# Altium PCB pcb.PcbDoc (part 1 of 4) (continued)
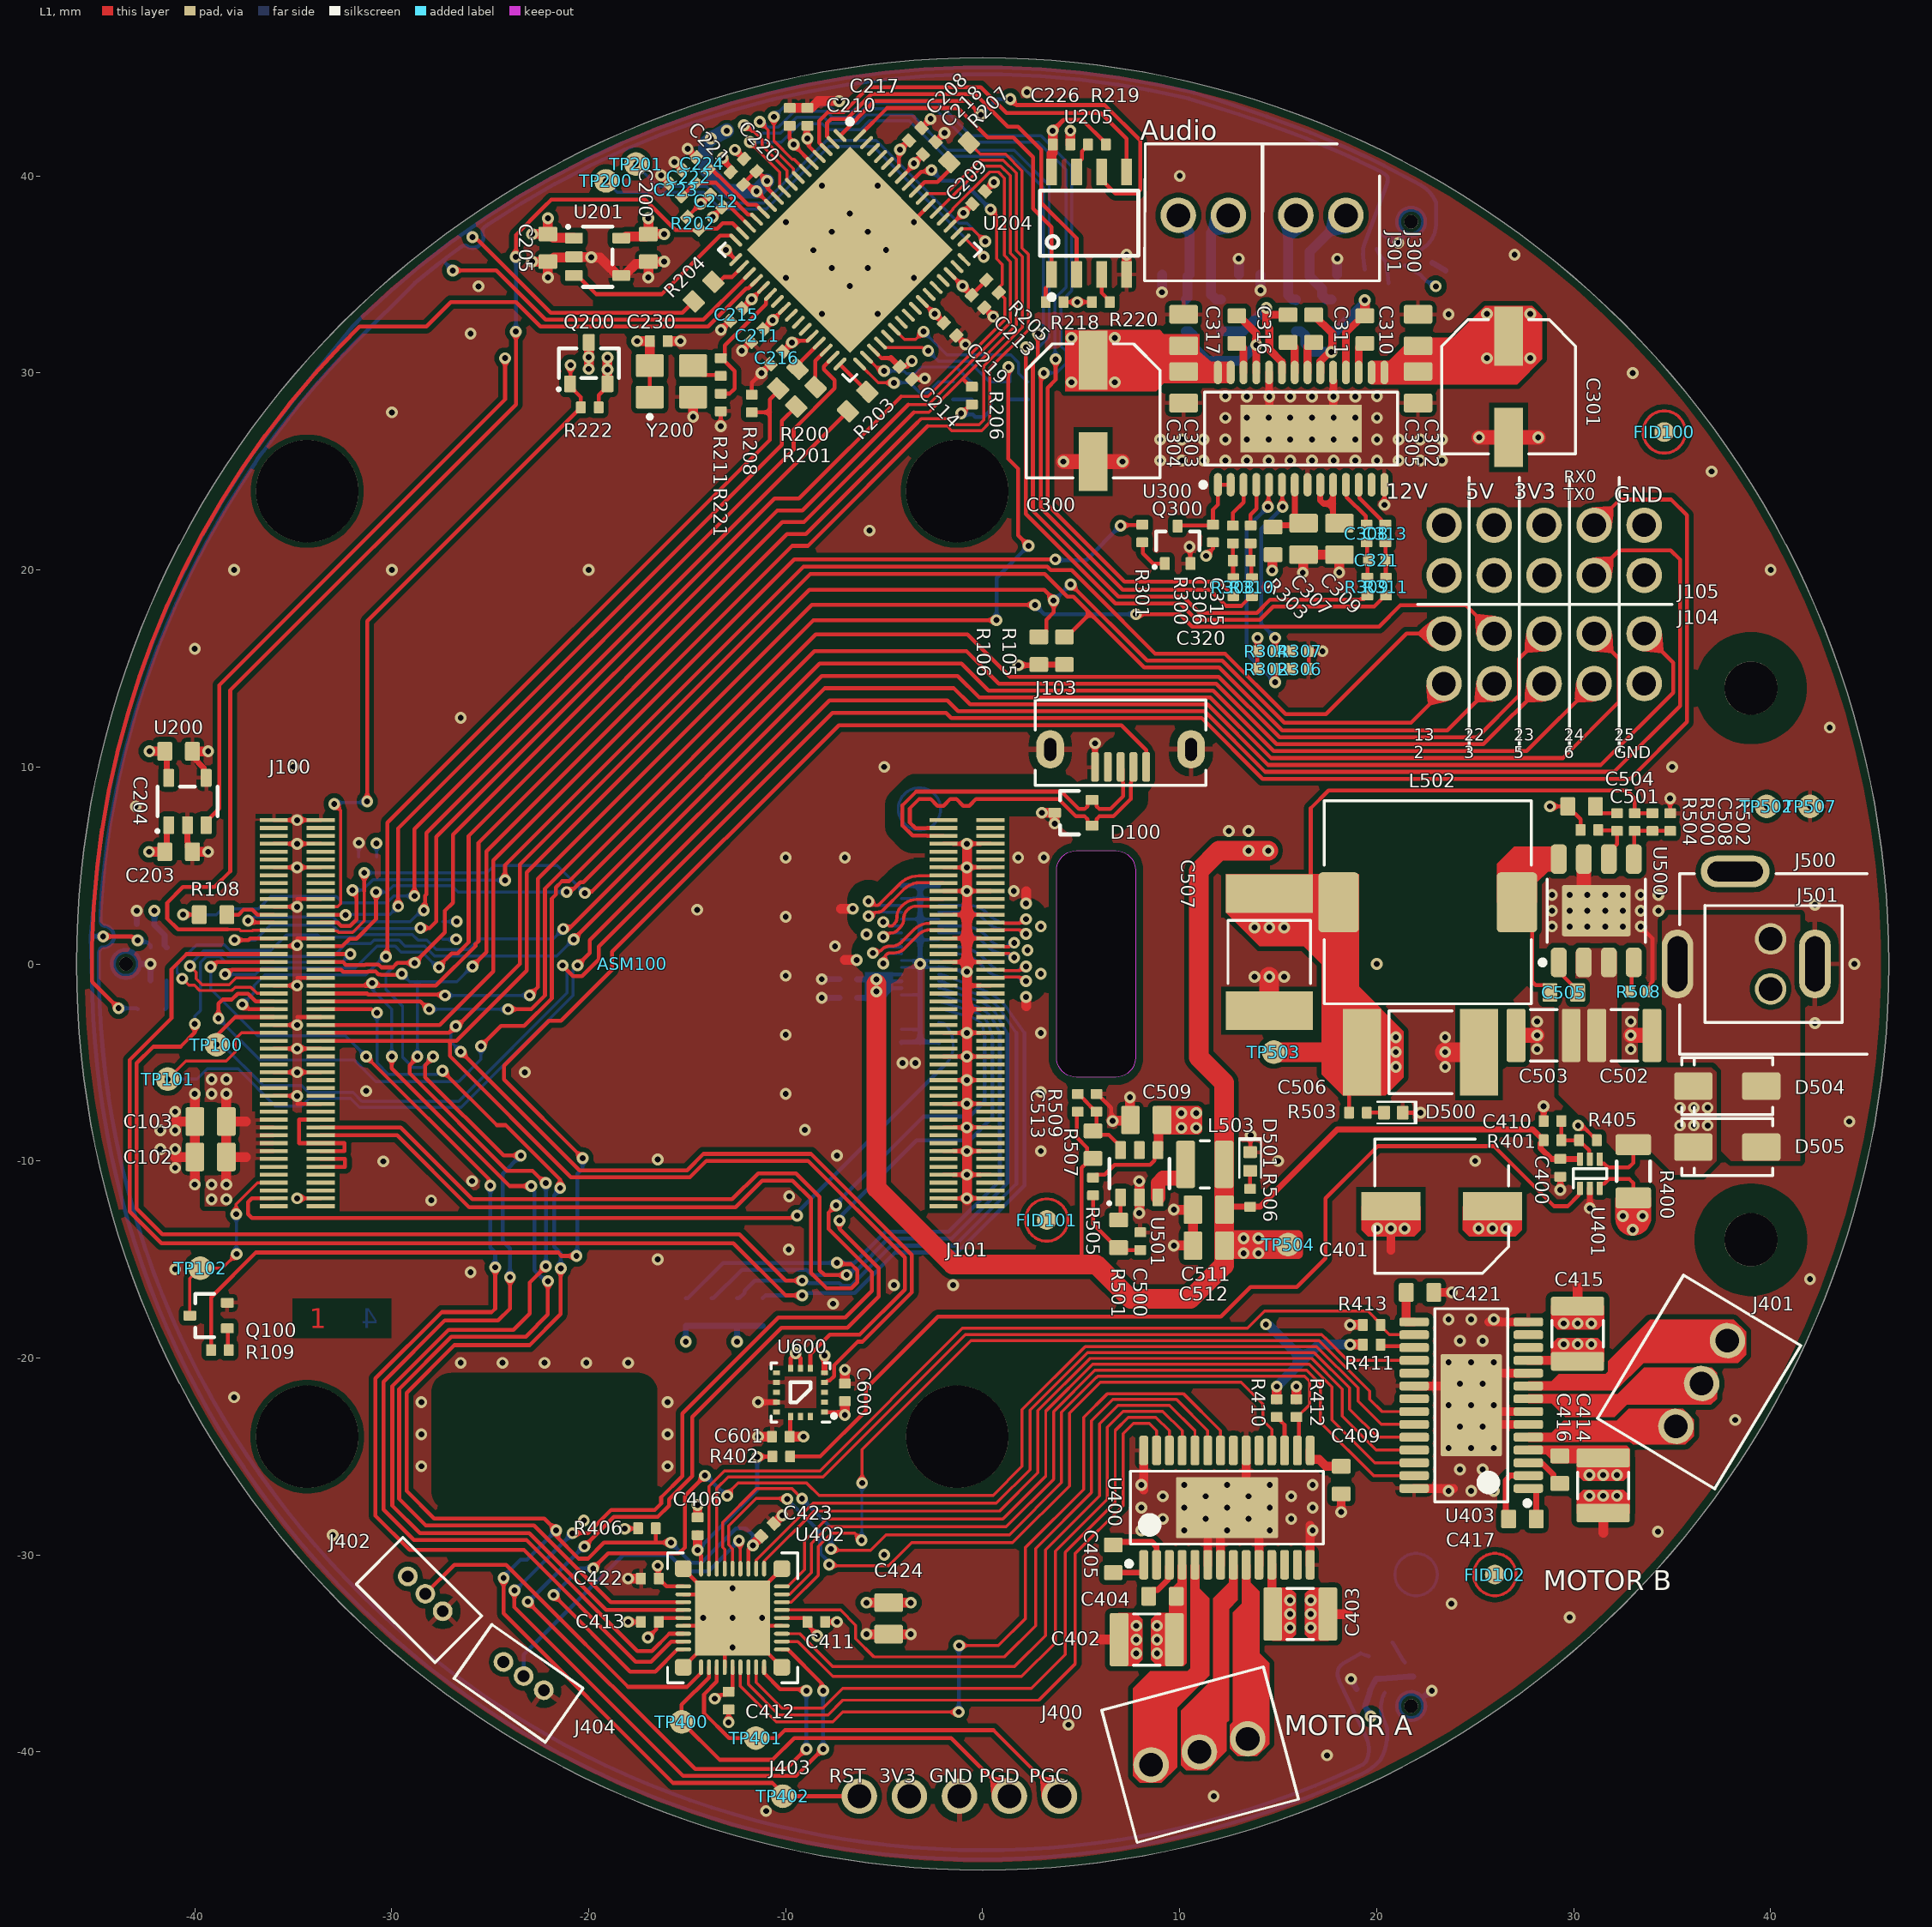
[diagram p0: L1 view]
## Part data (continued)
C504: library part 206, "SMT 0603c 3.3nF 50V 10% X7R 125°C", 03 Manufacturer=Samsung, 07 Package=0603c, 00 Index=206, 01 Name="CAPACITOR CERAMIC CL10B332KB8NNNC Samsung", 02 MPN=CL10B332KB8NNNC, 04 Main Group=CAPACITOR, 05 Sub Group=CERAMIC, 06 Assembly=SMT, 08 Parameter 1=3.3nF, 09 Parameter 2=50V, 10 Parameter 3=10%, 11 Parameter 4=X7R, 13 Parameter 6=125°C, 14 Modification Date=25.01.2021, ComponentLink1Description=DATASHEET, ComponentLink1URL=http://weblib.samsungsem.com/mlcc/mlcc-ec-data-sheet.do?partNumber=CL10B332KB8NNN, Fotprint Directory=fot_ipc/, Library Directory=sym_basics/
C506 C507: library part 260, "SMT 7343m 47u 6V3 20% 25mOhm 1.8A 105°C", 03 Manufacturer=Murata, 07 Package=7343m, 00 Index=260, 01 Name="CAPACITOR POLYMER ECASD40J476M025K00 Murata", 02 MPN=ECASD40J476M025K00, 04 Main Group=CAPACITOR, 05 Sub Group=POLYMER, 06 Assembly=SMT, 08 Parameter 1=47u, 09 Parameter 2=6V3, 10 Parameter 3=20%, 11 Parameter 4=25mOhm, 12 Parameter 5=1.8A, 13 Parameter 6=105°C, 14 Modification Date=25.01.2021, ComponentLink1Description=DATASHEET, ComponentLink1URL=https://pl.mouser.com/datasheet/2/281/c90e-1501405.pdf
C600 C601: library part 155, "SMT 0402c 1uF 16V 10% X5R 11.9MHz 85'C", 03 Manufacturer=Samsung, 07 Package=0402c, 00 Index=155, 01 Name="CAPACITOR THICK FILM CL05A105KO5NNNC Samsung", 02 MPN=CL05A105KO5NNNC, 04 Main Group=CAPACITOR, 05 Sub Group="THICK FILM", 06 Assembly=SMT, 08 Parameter 1=1uF, 09 Parameter 2=16V, 10 Parameter 3=10%, 11 Parameter 4=X5R, 12 Parameter 5=11.9MHz, 13 Parameter 6=85'C, 14 Modification Date=16.11.2020, ComponentLink1Description=DATASHEET, ComponentLink1URL="E:\Praca\Mindsailors\Mindsailors Altium\Database Library\Datasheets\CAPACITOR\Samsung CL05A105KO5NNN.pdf"
D100: library part 445, "SMT SC-70 6.5V 5.5A 85W Bidirectional 12.4V 10nA", 03 Manufacturer="Texas Instruments", 07 Package=SC-70, 00 Index=445, 01 Name="DIODE TVS/ESD TPD2E2U06DCKR Texas Instruments", 02 MPN=TPD2E2U06DCKR, 04 Main Group=DIODE, 05 Sub Group=TVS/ESD, 06 Assembly=SMT, 08 Parameter 1=6.5V, 09 Parameter 2=5.5A, 10 Parameter 3=85W, 11 Parameter 4=Bidirectional, 12 Parameter 5=12.4V, 13 Parameter 6=10nA, 14 Modification Date=10.02.2021, ComponentLink1Description=DATASHEET, ComponentLink1URL=https://www.ti.com/lit/ds/symlink/tpd2e2u06.pdf?ts=1612947447411&ref_url=https%253A%252F%252Fwww.ti.com%252Fsitesearch%252Fdocs%252Funiversalsearch.tsp%253FsearchTerm%253DTPD2E2U06, Fotprint Directory=fot_ipc/, Library Directory=sym_basics/
D500 D501: library part 176, "SMT 0402c RED Striaight 18...54mcd  130deg 2.0V", 03 Manufacturer=LITEON, 07 Package=0402c, 00 Index=176, 01 Name="DIODE LED LTST-C281KRKT LITEON", 02 MPN=LTST-C281KRKT, 04 Main Group=DIODE, 05 Sub Group=LED, 06 Assembly=SMT, 08 Parameter 1=RED, 10 Parameter 3=Striaight, 11 Parameter 4=18...54mcd, 12 Parameter 5=130deg, 13 Parameter 6=2.0V, 14 Modification Date=21.01.2021, ComponentLink1Description=DATASHEET, ComponentLink1URL="E:\Praca\Mindsailors\Mindsailors Altium\Database Library\Datasheets\DIODE\LITEON LTST-C281KRKT.pdf"
D504 D505: library part 793, "SMT DO-214AC 40V 3A 0.55V 70A 500uA", 03 Manufacturer="Taiwan Semiconductor", 07 Package=DO-214AC, 00 Index=793, 01 Name="DIODE SCHOTTKY SK34A Taiwan Semiconductor", 02 MPN=SK34A, 04 Main Group=DIODE, 05 Sub Group=SCHOTTKY, 06 Assembly=SMT, 08 Parameter 1=40V, 09 Parameter 2=3A, 10 Parameter 3=0.55V, 11 Parameter 4=70A, 12 Parameter 5=500uA, 14 Modification Date=29.11.2021, ComponentLink1Description=DATASHEET, ComponentLink1URL=https://datasheet.octopart.com/SK36A-R3G-Taiwan-Semiconductor-datasheet-94061880.pdf, Fotprint Directory=fot_ipc/, Library Directory=sym_basics/
FID100 FID101 FID102 FID103 FID104 FID105: library part 487, 00 Index=487, 01 Name=FIDUCIAL, 02 MPN=FIDUCIAL, 14 Modification Date=23.01.2021
J100 J101: library part 440, "SMT 2x50 0.4mm Female Straight", 03 Manufacturer=Hirose, 00 Index=440, 01 Name="CONNECTOR PCB DF40HC(3.0)-100DS-0.4v Hirose", 02 MPN=DF40HC(3.0)-100DS-0.4v, 04 Main Group=CONNECTOR, 05 Sub Group=PCB, 06 Assembly=SMT, 08 Parameter 1=2x50, 09 Parameter 2=0.4mm, 10 Parameter 3=Female, 11 Parameter 4=Straight, 14 Modification Date=08.02.2021, ComponentLink1Description=DATASHEET, ComponentLink1URL=https://www.hirose.com/en/product/document?clcode=CL0684-4151-0-51&productname=DF40HC(3.0)-100DS-0.4V(51&series=DF40&documenttype=2DDrawing&lang=en&documentid=0001001369
J102: library part 509, "SMT 2x20 0.35mm Straight 50V 0.3A", 03 Manufacturer=Molex, 00 Index=509, 01 Name="CONNECTOR PCB 5046184012 Molex", 02 MPN=5046184012, 04 Main Group=CONNECTOR, 05 Sub Group=PCB, 06 Assembly=SMT, 08 Parameter 1=2x20, 09 Parameter 2=0.35mm, 11 Parameter 4=Straight, 12 Parameter 5=50V, 13 Parameter 6=0.3A, 14 Modification Date=18.03.2021, ComponentLink1Description=DATASHEET, ComponentLink1URL=https://www.molex.com/molex/products/part-detail/pcb_receptacles/5046183012
J103: library part 980, "SMD/THT USB 0.65mm Straight 30V 1A", 03 Manufacturer=GCT, 00 Index=980, 01 Name="CONNECTOR WIRE USB3140-30-0170-0-C GCT", 02 MPN=USB3140-30-0170-0-C, 04 Main Group=CONNECTOR, 05 Sub Group=WIRE, 06 Assembly=SMD/THT, 08 Parameter 1=USB, 09 Parameter 2=0.65mm, 11 Parameter 4=Straight, 12 Parameter 5=30V, 13 Parameter 6=1A, 14 Modification Date=05.01.2022, ComponentLink1Description=DATASHEET, ComponentLink1URL=https://pl.mouser.com/datasheet/2/837/USB3140-1948849.pdf, Fotprint Directory=fot_other/, Library Directory=sym_basics/
J104 J105: library part 981, "THT 2X5 2.54mm Straight 110V 3A", 03 Manufacturer=Amphenol, 00 Index=981, 01 Name="CONNECTOR WIRE 10129381-910001BLF Amphenol", 02 MPN=10129381-910001BLF, 04 Main Group=CONNECTOR, 05 Sub Group=WIRE, 06 Assembly=THT, 08 Parameter 1=2X5, 09 Parameter 2=2.54mm, 11 Parameter 4=Straight, 12 Parameter 5=110V, 13 Parameter 6=3A, 14 Modification Date=05.01.2022, ComponentLink1Description=DATASHEET, ComponentLink1URL=https://www.amphenol-icc.com/econostik-10129381910001blf.html, Fotprint Directory=fot_other/, Library Directory=sym_basics/
J300 J301 J501: library part 978, "THT 1x2 2.54mm Straight 150V 10A", 03 Manufacturer="TE Connectivity", 00 Index=978, 01 Name="CONNECTOR WIRE 282834-2 TE Connectivity", 02 MPN=282834-2, 04 Main Group=CONNECTOR, 05 Sub Group=WIRE, 06 Assembly=THT, 08 Parameter 1=1x2, 09 Parameter 2=2.54mm, 11 Parameter 4=Straight, 12 Parameter 5=150V, 13 Parameter 6=10A, 14 Modification Date=03.01.2022, ComponentLink1Description=DATASHEET, ComponentLink1URL=https://www.te.com/usa-en/product-282834-2.html, Library Directory=sym_basics/
  J300 J301: Fotprint Directory=fot_other/
  J501: Fotprint Directory=fot_ipc/
J400 J401: library part 979, "THT 1x3 2.54mm Straight 150V 10A", 03 Manufacturer="TE Connectivity", 00 Index=979, 01 Name="CONNECTOR WIRE 282834-3 TE Connectivity", 02 MPN=282834-3, 04 Main Group=CONNECTOR, 05 Sub Group=WIRE, 06 Assembly=THT, 08 Parameter 1=1x3, 09 Parameter 2=2.54mm, 11 Parameter 4=Straight, 12 Parameter 5=150V, 13 Parameter 6=10A, 14 Modification Date=04.01.2022, ComponentLink1Description=DATASHEET, ComponentLink1URL=https://www.te.com/usa-en/product-282834-2.html, Fotprint Directory=fot_other/, Library Directory=sym_basics/
J402 J404: library part 991, "THT 1x3 1.25mm Straight 125V 1A", 03 Manufacturer=Molex, 00 Index=991, 01 Name="CONNECTOR WIRE 53047-0310 Molex", 02 MPN=53047-0310, 04 Main Group=CONNECTOR, 05 Sub Group=WIRE, 06 Assembly=THT, 08 Parameter 1=1x3, 09 Parameter 2=1.25mm, 11 Parameter 4=Straight, 12 Parameter 5=125V, 13 Parameter 6=1A, 14 Modification Date=28.03.2022, ComponentLink1Description=DATASHEET, ComponentLink1URL=https://www.tme.eu/Document/f8f78d18d800f08aedb247ee6832d80d/mx53047.pdf, Fotprint Directory=fot_other/, Library Directory=sym_basics/
J403: library part 982, "THT 1X5 2.54mm Straight 110V 3A", 03 Manufacturer=Amphenol, 00 Index=982, 01 Name="CONNECTOR WIRE G800W303018EU Amphenol", 02 MPN=G800W303018EU, 04 Main Group=CONNECTOR, 05 Sub Group=WIRE, 06 Assembly=THT, 08 Parameter 1=1X5, 09 Parameter 2=2.54mm, 11 Parameter 4=Straight, 12 Parameter 5=110V, 13 Parameter 6=3A, 14 Modification Date=10.01.2022, ComponentLink1Description=DATASHEET, ComponentLink1URL=https://www.mouser.pl/ProductDetail/Amphenol-Commercial-Products/G800W303018EU?qs=f9yNj16SXrJ5tCX5FPao9w%3D%3D, Fotprint Directory=fot_other/, Library Directory=sym_basics/
J500: library part 515, "THT DC BARREL JACK Right Angle", 03 Manufacturer=NINIGI, 00 Index=515, 01 Name="CONNECTOR WIRE PC-GK2.1 NINIGI", 02 MPN=PC-GK2.1, 04 Main Group=CONNECTOR, 05 Sub Group=WIRE, 06 Assembly=THT, 09 Parameter 2="DC BARREL JACK", 11 Parameter 4="Right Angle", 14 Modification Date=29.03.2021, ComponentLink1Description=DATASHEET, ComponentLink1URL=https://www.tme.eu/pl/details/pc-gk2.1/zlacza-dc/ninigi/, Fotprint Directory=fot_other/, Library Directory=sym_other/
L300 L301 L302 L303: library part 499, "SMT 0805c 120R 3A 0.035Ohm 350MHz", 03 Manufacturer=Murata, 07 Package=0805c, 00 Index=499, 01 Name="INDUCTOR BEAD BLM21PG121SN1D Murata", 02 MPN=BLM21PG121SN1D, 04 Main Group=INDUCTOR, 05 Sub Group=BEAD, 06 Assembly=SMT, 08 Parameter 1=120R, 09 Parameter 2=3A, 12 Parameter 5=0.035Ohm, 13 Parameter 6=350MHz, 14 Modification Date=09.03.2021, ComponentLink1Description=DATASHEET, ComponentLink1URL=https://www.murata.com/en-global/api/pdfdownloadapi?cate=cgsubChipFerriBead&partno=BLM21PG121SZ1%23
L502: library part 457, "SMT 10200m 8.2uH 0,3 5A 4.85A 22mOhm 21MHz", 03 Manufacturer=Bourns, 07 Package=10200m, 00 Index=457, 01 Name="INDUCTOR WIREWOUND SRR1050A-8R2Y  Bourns", 02 MPN=SRR1050A-8R2Y, 04 Main Group=INDUCTOR, 05 Sub Group=WIREWOUND, 06 Assembly=SMT, 08 Parameter 1=8.2uH, 09 Parameter 2=30%, 10 Parameter 3=5A, 11 Parameter 4=4.85A, 12 Parameter 5=22mOhm, 13 Parameter 6=21MHz, 14 Modification Date=14.02.2021, ComponentLink1Description=DATASHEET, ComponentLink1URL=https://pl.mouser.com/datasheet/2/54/srr1050a-1391598.pdf
L503: library part 456, "SMT 2510m 2.2uH 0,2 2.6A 2.8A 78mOhm 40MHz", 03 Manufacturer=Bourns, 07 Package=2510m, 00 Index=456, 01 Name="INDUCTOR WIREWOUND SRN2510F-2R2M Bourns", 02 MPN=SRN2510F-2R2M, 04 Main Group=INDUCTOR, 05 Sub Group=WIREWOUND, 06 Assembly=SMT, 08 Parameter 1=2.2uH, 09 Parameter 2=20%, 10 Parameter 3=2.6A, 11 Parameter 4=2.8A, 12 Parameter 5=78mOhm, 13 Parameter 6=40MHz, 14 Modification Date=14.02.2021, ComponentLink1Description=DATASHEET, ComponentLink1URL=http://www.farnell.com/datasheets/2644240.pdf
MIC200 MIC201 MIC202: library part 494, "SMT -37dBFS 1.65V - 3.6V 25Hz - 22kHz Omnidirectional", 03 Manufacturer=Knowles, 00 Index=494, 01 Name="ACOUSTIC MICROPHONE SPH0655LM4H-1 Knowles", 02 MPN=SPH0655LM4H-1, 04 Main Group=ACOUSTIC, 05 Sub Group=MICROPHONE, 06 Assembly=SMT, 09 Parameter 2=-37dBFS, 10 Parameter 3="1.65V - 3.6V", 11 Parameter 4="25Hz - 22kHz", 13 Parameter 6=Omnidirectional, 14 Modification Date=08.03.2021, ComponentLink1Description=DATASHEET, ComponentLink1URL=https://www.knowles.com/docs/default-source/default-document-library/sph0655lm4h-1_cornell_ii_datasheet_1.pdf?Status=Master&sfvrsn=663271b1_0
Q100 Q300: library part 93, "SMT SOT-323 NPN 45V 0.5A 0.2W", 03 Manufacturer=Nexperia, 07 Package=SOT-323, 00 Index=93, 01 Name="TRANSISTOR BIPOLAR BC817-40W Nexperia", 02 MPN=BC817-40W, 04 Main Group=TRANSISTOR, 05 Sub Group=BIPOLAR, 06 Assembly=SMT, 08 Parameter 1=NPN, 11 Parameter 4=45V, 12 Parameter 5=0.5A, 13 Parameter 6=0.2W, 14 Modification Date=16.11.2020, ComponentLink1Description=DATASHEET, ComponentLink1URL="E:\Praca\Mindsailors\Mindsailors Altium\Database Library\Datasheets\TRANSISTOR\Nexperia BC817W Series.pdf"
  Q100: Fotprint Directory=fot_ipc/, Library Directory=sym_basics/
Q200: library part 42, "SMT SOT-23 P-MOS -20V -2.6A 1.3W", 03 Manufacturer="International Rectifier", 07 Package=SOT-23, 00 Index=42, 01 Name="TRANSISTOR MOSFET IRLML2246TRPBF International Rectifier", 02 MPN=IRLML2246TRPBF, 04 Main Group=TRANSISTOR, 05 Sub Group=MOSFET, 06 Assembly=SMT, 08 Parameter 1=P-MOS, 11 Parameter 4=-20V, 12 Parameter 5=-2.6A, 13 Parameter 6=1.3W, 14 Modification Date=16.11.2020, ComponentLink1Description=DATASHEET, ComponentLink1URL="E:\Praca\Mindsailors\Mindsailors Altium\Database Library\Datasheets\TRANSISTOR\International Rectifier IRLML2246TRPBF.pdf", Fotprint Directory=fot_ipc/, Library Directory=sym_basics/
R101 R102 R103 R104 R105 R106: library part 380, "SMT 0603c 4.7k 1% 100mW 100ppm/K 75V", 03 Manufacturer=Yageo, 07 Package=0603c, 00 Index=380, 01 Name="RESISTOR THICK FILM RC0603FR-074K7L Yageo", 02 MPN=RC0603FR-074K7L, 04 Main Group=RESISTOR, 05 Sub Group="THICK FILM", 06 Assembly=SMT, 08 Parameter 1=4.7k, 09 Parameter 2=1%, 10 Parameter 3=100mW, 11 Parameter 4=100ppm/K, 12 Parameter 5=75V, 14 Modification Date=25.01.2021, ComponentLink1Description=DATASHEET, ComponentLink1URL=https://www.yageo.com/upload/media/product/products/datasheet/rchip/PYu-RC_Group_51_RoHS_L_11.pdf
R108 R200 R201 R203 R204 R207 R210 R212 R213 R501: library part 318, "SMT 0603c 22R 1% 100mW 100ppm/K 75V", 03 Manufacturer=Yageo, 07 Package=0603c, 00 Index=318, 01 Name="RESISTOR THICK FILM RC0603FR-0722RL Yageo", 02 MPN=RC0603FR-0722RL, 04 Main Group=RESISTOR, 05 Sub Group="THICK FILM", 06 Assembly=SMT, 08 Parameter 1=22R, 09 Parameter 2=1%, 10 Parameter 3=100mW, 11 Parameter 4=100ppm/K, 12 Parameter 5=75V, 14 Modification Date=25.01.2021, ComponentLink1Description=DATASHEET, ComponentLink1URL=https://www.yageo.com/upload/media/product/products/datasheet/rchip/PYu-RC_Group_51_RoHS_L_11.pdf, Fotprint Directory=fot_ipc/, Library Directory=sym_basics/
R109 R202 R205 R206 R209 R214 R215 R216 R217 R218 R219 R220 R222 R300 R401 R405 R406 R410 R411 R412 R413 R505: library part 15, "SMT 0402c 10k 1% 62.5mW 100ppm/K 50V", 03 Manufacturer=Yageo, 07 Package=0402c, 00 Index=15, 01 Name="RESISTOR THICK FILM RC0402FR-0710KL Yageo", 02 MPN=RC0402FR-0710KL, 04 Main Group=RESISTOR, 05 Sub Group="THICK FILM", 06 Assembly=SMT, 08 Parameter 1=10k, 09 Parameter 2=1%, 10 Parameter 3=62.5mW, 11 Parameter 4=100ppm/K, 12 Parameter 5=50V, 14 Modification Date=16.11.2020, ComponentLink1Description=DATASHEET, ComponentLink1URL="E:\Praca\Mindsailors\Mindsailors Altium\Database Library\Datasheets\RESISTOR\Yageo RC_L Series.pdf"
  R202 R209 R214 R215 R216 R217: Fotprint Directory=fot_ipc/, Library Directory=sym_basics/
R208 R301 R302 R304 R306 R307 R509: library part 18, "SMT 0402c 100k 1% 62.5mW 100ppm/K 50V", 03 Manufacturer=Yageo, 07 Package=0402c, 00 Index=18, 01 Name="RESISTOR THICK FILM RC0402FR-07100KL Yageo", 02 MPN=RC0402FR-07100KL, 04 Main Group=RESISTOR, 05 Sub Group="THICK FILM", 06 Assembly=SMT, 08 Parameter 1=100k, 09 Parameter 2=1%, 10 Parameter 3=62.5mW, 11 Parameter 4=100ppm/K, 12 Parameter 5=50V, 14 Modification Date=16.11.2020, ComponentLink1Description=DATASHEET, ComponentLink1URL="E:\Praca\Mindsailors\Mindsailors Altium\Database Library\Datasheets\RESISTOR\Yageo RC_L Series.pdf"
  R208 R302 R304 R306 R307: Fotprint Directory=fot_ipc/, Library Directory=sym_basics/
R211 R402: library part 129, "SMT 0402c 100R 5% 62.5mW 200ppm/K 50V", 03 Manufacturer="Royal Ohm", 07 Package=0402c, 00 Index=129, 01 Name="RESISTOR THICK FILM 0402WGJ0101TCE Royal Ohm", 02 MPN=0402WGJ0101TCE, 04 Main Group=RESISTOR, 05 Sub Group="THICK FILM", 06 Assembly=SMT, 08 Parameter 1=100R, 09 Parameter 2=5%, 10 Parameter 3=62.5mW, 11 Parameter 4=200ppm/K, 12 Parameter 5=50V, 14 Modification Date=16.11.2020, ComponentLink1Description=DATASHEET, ComponentLink1URL="E:\Praca\Mindsailors\Mindsailors Altium\Database Library\Datasheets\RESISTOR\ROYAL OHM Thick Film Chip Resistors.pdf", Fotprint Directory=fot_ipc/, Library Directory=sym_basics/
R221: library part 21, "SMT 0402c 470R 1% 62.5mW 100ppm/K 50V", 03 Manufacturer=Yageo, 07 Package=0402c, 00 Index=21, 01 Name="RESISTOR THICK FILM RC0402FR-07470RL Yageo", 02 MPN=RC0402FR-07470RL, 04 Main Group=RESISTOR, 05 Sub Group="THICK FILM", 06 Assembly=SMT, 08 Parameter 1=470R, 09 Parameter 2=1%, 10 Parameter 3=62.5mW, 11 Parameter 4=100ppm/K, 12 Parameter 5=50V, 14 Modification Date=16.11.2020, ComponentLink1Description=DATASHEET, ComponentLink1URL="E:\Praca\Mindsailors\Mindsailors Altium\Database Library\Datasheets\RESISTOR\Yageo RC_L Series.pdf", Fotprint Directory=fot_ipc/, Library Directory=sym_basics/
R303: library part 265, "SMT 0603c 10R 1% 100mW 100ppm/K 75V", 03 Manufacturer=Yageo, 07 Package=0603c, 00 Index=265, 01 Name="RESISTOR THICK FILM RC0603FR-0710RL Yageo", 02 MPN=RC0603FR-0710RL, 04 Main Group=RESISTOR, 05 Sub Group="THICK FILM", 06 Assembly=SMT, 08 Parameter 1=10R, 09 Parameter 2=1%, 10 Parameter 3=100mW, 11 Parameter 4=100ppm/K, 12 Parameter 5=75V, 14 Modification Date=25.01.2021, ComponentLink1Description=DATASHEET, ComponentLink1URL=https://www.yageo.com/upload/media/product/products/datasheet/rchip/PYu-RC_Group_51_RoHS_L_11.pdf
R308 R309 R310 R311: library part 605, "SMT 0402c 220R 1% 62.5mW 100ppm/K 50V", 03 Manufacturer=Yageo, 07 Package=0402c, 00 Index=605, 01 Name="RESISTOR THICK FILM RC0402FR-07220RL Yageo", 02 MPN=RC0402FR-07220RL, 04 Main Group=RESISTOR, 05 Sub Group="THICK FILM", 06 Assembly=SMT, 08 Parameter 1=220R, 09 Parameter 2=1%, 10 Parameter 3=62.5mW, 11 Parameter 4=100ppm/K, 12 Parameter 5=50V, 14 Modification Date=10.05.2021, ComponentLink1Description=DATASHEET, ComponentLink1URL=https://www.yageo.com/upload/media/product/products/datasheet/rchip/PYu-RC_Group_51_RoHS_L_11.pdf, Fotprint Directory=fot_ipc/, Library Directory=sym_basics/
R400: library part 507, "SMT 1206c 0.039R 1% 1W 50ppm/K", 03 Manufacturer=Panasonic, 07 Package=1206c, 00 Index=507, 01 Name="RESISTOR THICK FILM ERJ-8CWFR039V Panasonic", 02 MPN=ERJ-8CWFR039V, 04 Main Group=RESISTOR, 05 Sub Group="THICK FILM", 06 Assembly=SMT, 08 Parameter 1=0.039R, 09 Parameter 2=1%, 10 Parameter 3=1W, 11 Parameter 4=50ppm/K, 14 Modification Date=15.03.2021, ComponentLink1Description=DATASHEET, ComponentLink1URL=https://datasheet.octopart.com/ERJ-8CWFR039V-Panasonic-datasheet-28468620.pdf
R500: library part 655, "SMT 0402c 43k 1% 62.5mW 100ppm/K 50V", 03 Manufacturer=Yageo, 07 Package=0402c, 00 Index=655, 01 Name="RESISTOR THICK FILM RC0402FR-0743KL Yageo", 02 MPN=RC0402FR-0743KL, 04 Main Group=RESISTOR, 05 Sub Group="THICK FILM", 06 Assembly=SMT, 08 Parameter 1=43k, 09 Parameter 2=1%, 10 Parameter 3=62.5mW, 11 Parameter 4=100ppm/K, 12 Parameter 5=50V, 14 Modification Date=10.05.2021, ComponentLink1Description=DATASHEET, ComponentLink1URL=https://www.yageo.com/upload/media/product/products/datasheet/rchip/PYu-RC_Group_51_RoHS_L_11.pdf, Fotprint Directory=fot_ipc/, Library Directory=sym_basics/
R502: library part 705, "SMT 0402c 8.2k 1% 62.5mW 100ppm/K 50V", 03 Manufacturer=Yageo, 07 Package=0402c, 00 Index=705, 01 Name="RESISTOR THICK FILM RC0402FR-078K2L Yageo", 02 MPN=RC0402FR-078K2L, 04 Main Group=RESISTOR, 05 Sub Group="THICK FILM", 06 Assembly=SMT, 08 Parameter 1=8.2k, 09 Parameter 2=1%, 10 Parameter 3=62.5mW, 11 Parameter 4=100ppm/K, 12 Parameter 5=50V, 14 Modification Date=10.05.2021, ComponentLink1Description=DATASHEET, ComponentLink1URL=https://www.yageo.com/upload/media/product/products/datasheet/rchip/PYu-RC_Group_51_RoHS_L_11.pdf, Fotprint Directory=fot_ipc/, Library Directory=sym_basics/
R503 R506: library part 131, "SMT 0402c 1k 5% 62.5mW 200ppm/K 50V", 03 Manufacturer=Yageo, 07 Package=0402c, 00 Index=131, 01 Name="RESISTOR THICK FILM RC0402JR-071KL Yageo", 02 MPN=RC0402JR-071KL, 04 Main Group=RESISTOR, 05 Sub Group="THICK FILM", 06 Assembly=SMT, 08 Parameter 1=1k, 09 Parameter 2=5%, 10 Parameter 3=62.5mW, 11 Parameter 4=200ppm/K, 12 Parameter 5=50V, 14 Modification Date=16.11.2020, ComponentLink1Description=DATASHEET, ComponentLink1URL="E:\Praca\Mindsailors\Mindsailors Altium\Database Library\Datasheets\RESISTOR\Yageo RC_L Series.pdf"
R504: library part 572, "SMT 0402c 15k 1% 62.5mW 100ppm/K 50V", 03 Manufacturer=Yageo, 07 Package=0402c, 00 Index=572, 01 Name="RESISTOR THICK FILM RC0402FR-0715KL Yageo", 02 MPN=RC0402FR-0715KL, 04 Main Group=RESISTOR, 05 Sub Group="THICK FILM", 06 Assembly=SMT, 08 Parameter 1=15k, 09 Parameter 2=1%, 10 Parameter 3=62.5mW, 11 Parameter 4=100ppm/K, 12 Parameter 5=50V, 14 Modification Date=10.05.2021, ComponentLink1Description=DATASHEET, ComponentLink1URL=https://www.yageo.com/upload/media/product/products/datasheet/rchip/PYu-RC_Group_51_RoHS_L_11.pdf, Fotprint Directory=fot_ipc/, Library Directory=sym_basics/
R507: library part 373, "SMT 0603c 453k 1% 100mW 100ppm/K 75V", 03 Manufacturer=Yageo, 07 Package=0603c, 00 Index=373, 01 Name="RESISTOR THICK FILM RC0603FR-07453KL Yageo", 02 MPN=RC0603FR-07453KL, 04 Main Group=RESISTOR, 05 Sub Group="THICK FILM", 06 Assembly=SMT, 08 Parameter 1=453k, 09 Parameter 2=1%, 10 Parameter 3=100mW, 11 Parameter 4=100ppm/K, 12 Parameter 5=75V, 14 Modification Date=25.01.2021, ComponentLink1Description=DATASHEET, ComponentLink1URL=https://www.yageo.com/upload/media/product/products/datasheet/rchip/PYu-RC_Group_51_RoHS_L_11.pdf
R508: library part 600, "SMT 0402c 200k 1% 62.5mW 100ppm/K 50V", 03 Manufacturer=Yageo, 07 Package=0402c, 00 Index=600, 01 Name="RESISTOR THICK FILM RC0402FR-07200KL Yageo", 02 MPN=RC0402FR-07200KL, 04 Main Group=RESISTOR, 05 Sub Group="THICK FILM", 06 Assembly=SMT, 08 Parameter 1=200k, 09 Parameter 2=1%, 10 Parameter 3=62.5mW, 11 Parameter 4=100ppm/K, 12 Parameter 5=50V, 14 Modification Date=10.05.2021, ComponentLink1Description=DATASHEET, ComponentLink1URL=https://www.yageo.com/upload/media/product/products/datasheet/rchip/PYu-RC_Group_51_RoHS_L_11.pdf, Fotprint Directory=fot_ipc/, Library Directory=sym_basics/
TP100 TP101 TP102 TP200 TP201 TP400 TP401 TP402 TP502 TP503 TP504 TP507: library part 10, 00 Index=10, 01 Name="PCB COMPONENT TESTPAD TESTPAD", 02 MPN=TESTPAD, 04 Main Group="PCB COMPONENT", 05 Sub Group=TESTPAD, 14 Modification Date=16.11.2020
  TP100: Fotprint Directory=fot_other/, Library Directory=sym_basics/
U200: library part 479, "SMT SOT-23-5 3.3V 5.5V 300mA 375mV", 03 Manufacturer="Texas Instruments", 07 Package=SOT-23-5, 00 Index=479, 01 Name="IC VOLTAGE REGULATOR TLV70233DBV Texas Instruments", 02 MPN=TLV70233DBV, 04 Main Group=IC, 05 Sub Group="VOLTAGE REGULATOR", 06 Assembly=SMT, 08 Parameter 1=3.3V, 11 Parameter 4=5.5V, 12 Parameter 5=300mA, 13 Parameter 6=375mV, 14 Modification Date=21.02.2021, ComponentLink1Description=DATASHEET, ComponentLink1URL=https://www.ti.com/lit/ds/symlink/tlv702.pdf?ts=1613945518536&ref_url=https%253A%252F%252Fwww.google.com%252F
U201: library part 474, "SMT SOT-23-5 1.2V 5.5V 300mA 375mV", 03 Manufacturer="Texas Instruments", 07 Package=SOT-23-5, 00 Index=474, 01 Name="IC VOLTAGE REGULATOR TLV70212DBV Texas Instruments", 02 MPN=TLV70212DBV, 04 Main Group=IC, 05 Sub Group="VOLTAGE REGULATOR", 06 Assembly=SMT, 08 Parameter 1=1.2V, 11 Parameter 4=5.5V, 12 Parameter 5=300mA, 13 Parameter 6=375mV, 14 Modification Date=21.02.2021, ComponentLink1Description=DATASHEET, ComponentLink1URL=https://www.ti.com/lit/ds/symlink/tlv702.pdf?ts=1613945518536&ref_url=https%253A%252F%252Fwww.google.com%252F, Fotprint Directory=fot_ipc/, Library Directory=sym_other/
U204: library part 545, "SMT QFN-64 Audio DSP and DAC", 03 Manufacturer=Microchip, 07 Package=QFN-64, 00 Index=545, 01 Name="IC PROCESSOR ZL38063LDG1  Microchip", 02 MPN=ZL38063LDG1, 04 Main Group=IC, 05 Sub Group=PROCESSOR, 06 Assembly=SMT, 11 Parameter 4="Audio DSP and DAC", 14 Modification Date=06.05.2021, ComponentLink1Description=DATASHEET, ComponentLink1URL=https://www.google.com/url?sa=t&rct=j&q=&esrc=s&source=web&cd=&ved=2ahUKEwijw8HIxrTwAhWvxIsKHU2NBBgQFjABegQIAhAD&url=https%3A%2F%2Fwww.microsemi.com%2Fdocument-portal%2Fdoc_download%2F136798-zl38063-datasheet&usg=AOvVaw2eoUfxAubW_M5spPpwFKjp, Fotprint Directory=fot_ipc/, Library Directory=sym_other/
U205: library part 751, "SMT SOIC-8 Flash 4Mbit 1.65V - 3.6V SPI", 03 Manufacturer=Adesto, 07 Package=SOIC-8, 00 Index=751, 01 Name="IC MEMORY  / AT25FF041A-SSHN-T Adesto", 02 MPN=AT25FF041A-SSHN-T, 04 Main Group=IC, 05 Sub Group=MEMORY, 06 Assembly=SMT, 08 Parameter 1=Flash, 09 Parameter 2=4Mbit, 11 Parameter 4="1.65V - 3.6V", 12 Parameter 5=SPI, 14 Modification Date=02.09.2021, ComponentLink1Description=DATASHEET, ComponentLink1URL=https://pl.mouser.com/datasheet/2/590/at25ff041a-2487492.pdf, Fotprint Directory=fot_ipc/, Library Directory=sym_other/
U300: library part 497, "SMT TSSOP-28 Speaker 8V - 26V 2x 6W", 03 Manufacturer="Texas Instruments", 07 Package=TSSOP-28, 00 Index=497, 01 Name="IC DRIVER TPA3113D2PWPR Texas Instruments", 02 MPN=TPA3113D2PWPR, 04 Main Group=IC, 05 Sub Group=DRIVER, 06 Assembly=SMT, 08 Parameter 1=Speaker, 11 Parameter 4="8V - 26V", 12 Parameter 5="2x 6W", 14 Modification Date=08.03.2021, ComponentLink1Description=DATASHEET, ComponentLink1URL=https://www.ti.com/lit/ds/symlink/tpa3113d2.pdf?ts=1615202642368&ref_url=https%253A%252F%252Fwww.google.com%252F
U400 U403: library part 989, "SMT SSOP-29 Motor 60V 2.5A", 03 Manufacturer="Texas Instruments", 07 Package=SSOP-29, 00 Index=989, 01 Name="IC DRIVER DRV8313PWP Texas Instruments", 02 MPN=DRV8313PWP, 04 Main Group=IC, 05 Sub Group=DRIVER, 06 Assembly=SMT, 08 Parameter 1=Motor, 11 Parameter 4=60V, 12 Parameter 5=2.5A, 14 Modification Date=16.03.2022, ComponentLink1Description=DATASHEET, ComponentLink1URL=https://www.ti.com/lit/ds/symlink/drv8313.pdf?ts=1612516575666&ref_url=https%253A%252F%252Fwww.ti.com%252Fmotor-drivers%252Fbrushless-dc-bldc-drivers%252Fproducts.html%253Fpqs%253Dpaqs%2526familyid%253D2009, Fotprint Directory=fot_ipc/, Library Directory=sym_other/
U401: library part 506, "SMT SOT-563 1 350kHz 2V/us", 03 Manufacturer="Texas Instruments", 07 Package=SOT-563, 00 Index=506, 01 Name="IC AMPLIFIER INA185A1IDR Texas Instruments", 02 MPN=INA185A1IDR, 04 Main Group=IC, 05 Sub Group=AMPLIFIER, 06 Assembly=SMT, 11 Parameter 4=1, 12 Parameter 5=350kHz, 13 Parameter 6=2V/us, 14 Modification Date=15.03.2021, ComponentLink1Description=DATASHEET, ComponentLink1URL=https://www.ti.com/lit/ds/sbos378/sbos378.pdf?ts=1615805217899&ref_url=https%253A%252F%252Fwww.google.com%252F
U402: library part 510, "SMT UQFN-36 3-3.6V 100MHz 32kB", 03 Manufacturer=Microchip, 07 Package=UQFN-36, 00 Index=510, 01 Name="IC MICROCONTROLLER dsPIC33CK32MP503 Microchip", 02 MPN=dsPIC33CK32MP503, 04 Main Group=IC, 05 Sub Group=MICROCONTROLLER, 06 Assembly=SMT, 11 Parameter 4=3-3.6V, 12 Parameter 5=100MHz, 13 Parameter 6=32kB, 14 Modification Date=22.03.2021, ComponentLink1Description=DATASHEET, ComponentLink1URL=https://ww1.microchip.com/downloads/en/DeviceDoc/dsPIC33CK256MP508-Family-Data-Sheet-DS70005349H.pdf
U500: library part 986, "SMT SO-8-EP 40V 3.5A 100kHz - 2.2MHz", 03 Manufacturer=Diodes, 07 Package=SO-8-EP, 00 Index=986, 01 Name="IC DCDC CONVERTER AP64350 Diodes", 02 MPN=AP64350, 04 Main Group=IC, 05 Sub Group="DCDC CONVERTER", 06 Assembly=SMT, 11 Parameter 4=40V, 12 Parameter 5=3.5A, 13 Parameter 6="100kHz - 2.2MHz", 14 Modification Date=14.02.2022, 16 Replacements=AP64500SP-13, ComponentLink1Description=DATASHEET, ComponentLink1URL=https://www.diodes.com/assets/Datasheets/AP64350.pdf, Fotprint Directory=fot_ipc/, Library Directory=sym_other/
U501: library part 459, "SMT SOT-23-6 5.5V 2A 1.5MHz", 03 Manufacturer="Texas Instruments", 07 Package=SOT-23-6, 00 Index=459, 01 Name="IC DCDC CONVERTER TLV62569PDDC Texas Instruments", 02 MPN=TLV62569PDDC, 04 Main Group=IC, 05 Sub Group="DCDC CONVERTER", 06 Assembly=SMT, 11 Parameter 4=5.5V, 12 Parameter 5=2A, 13 Parameter 6=1.5MHz, 14 Modification Date=14.02.2021, ComponentLink1Description=DATASHEET, ComponentLink1URL=https://www.ti.com/lit/ds/symlink/tlv62569.pdf?ts=1613311991034&ref_url=https%253A%252F%252Fwww.google.com%252F
U600: library part 158, "SMT LGA-16 ACCELEROMETER 1.71V - 3.6V +/- 16g", 03 Manufacturer=STMicroelectronics, 07 Package=LGA-16, 00 Index=158, 01 Name="IC SENSOR LIS3DH STMicroelectronics", 02 MPN=LIS3DH, 04 Main Group=IC, 05 Sub Group=SENSOR, 06 Assembly=SMT, 08 Parameter 1=ACCELEROMETER, 11 Parameter 4="1.71V - 3.6V", 12 Parameter 5="+/- 16g", 14 Modification Date=18.12.2020, ComponentLink1Description=DATASHEET, ComponentLink1URL="E:\Praca\Mindsailors\Mindsailors Altium\Database Library\Datasheets\IC\ST lis3dh.pdf"
Y200: library part 471, "SMT 3225m 12MHz 50ppm", 03 Manufacturer=Multicomp, 07 Package=3225m, 00 Index=471, 01 Name="OSCILLATOR XO MCSJK-3N-12.00-3.3-50-C Multicomp", 02 MPN=MCSJK-3N-12.00-3.3-50-C, 04 Main Group=OSCILLATOR, 05 Sub Group=XO, 06 Assembly=SMT, 08 Parameter 1=12MHz, 11 Parameter 4=50ppm, 14 Modification Date=19.02.2021, ComponentLink1Description=DATASHEET, ComponentLink1URL=http://www.farnell.com/datasheets/2864171.pdf, Fotprint Directory=fot_ipc/, Library Directory=sym_basics/

## Free pads (board coordinates)
  round 2.7 hole 2.7 unplated paste+0 mask+1.4: M2.5(39,-14) M2.5(39,14)

## Via types
v1: diameter 0.6, hole 0.3, L1 to L4, tented both sides, 634 vias
v2: diameter 0.6/0.6/0.6/0.6 (per signal layer), hole 0.3, L1 to L4, tented both sides, 3 vias

## Nets (pads, with @x,y where several pads share a name; then routed paths per layer and width w, separated by ;. In a path a pad name is that pad's centre, name@x,y a point inside that pad or via, vN(x,y) a via of type N, cw(c..) or ccw(c..) an arc to the next point about the centre after c; other vN are vias at no path point)
1.2V: C200.2 C211.2 C212.2 C217.2 C218.2 C219.2 U201.5 U204.4 U204.14 U204.24 U204.42 U204.58 | length 12.2
  L1 w0.2: v1(-13.711,37.912) C212.2@-13.216,38.407 -13.181,38.442 -12.828,38.442 U204.14@-11.838,37.452 ; v1(-10.671,32.679) U204.24@-10.07,33.28 ; v1(-8.9,41.9) -8.823,41.823 -8.823,41.509 U204.4@-8.302,40.988 ; U204.58@-4.13,39.927 -3.494,40.563 v1(-3.494,40.634) ; U204.42@-3.069,33.634 -2.84,33.404 v1(-2.433,32.997)
  L1 w0.3: C211.2@-11.131,32.219 v1(-10.671,32.679) ; v1(-8.9,41.9) -8.957,41.957 -8.957,42.38 -8.9,42.322 C217.2@-8.9,42.55 ; v1(-3.494,40.634) C218.2@-3.034,41.094 ; v1(-2.433,32.997) C219.2@-1.973,32.538
  L1 w0.5: U201.5@-18.35,36.846 -18.175,36.846 -18.096,36.925 -17.1,36.925 C200.2@-16.975,37.05 ; v1(-16.975,37.85) C200.2@-16.975,37.05 ; v1(-16.175,37.05) C200.2@-16.975,37.05
1.2V_ENABLE: U201.3 U204.16 | length 9.9
  L1 w0.2: U201.3@-20.75,34.946 -20.575,34.946 -19.629,34 -16.3,34 -13.325,36.975 -12.775,36.975 U204.16@-12.545,36.745
3.3V: C106.2 C107.2 C400.2 C411.2 C412.2 C413.2 C422.2 C424.2 C511.2 C512.2 C513.2 C600.2 C601.2 J102.24 J102.26 J102.28 J105.5 J105.6 J402.1 J403.2 J404.1 L503.2 Q200.2 R101.2 R102.2 R103.2 R104.2 R105.2 R106.2 R222.2 R401.2 R406.2 R410.2 R411.2 R506.2 R507.2 TP504.1 U401.6 U402.10 U402.14 U402.23 U402.32 U600.1 U600.7 U600.8 U600.14 | length 153.6
  L1 w0.2: R222.2@-19.5,28.25 -19.5,28.875 -19.05,29.325 Q200.2@-19.05,29.45 ; v1(-18.175,-28.675) -18.163,-28.663 -17.512,-28.663 R406.2@-17.5,-28.65 ; v1(-17,-34.2) -16.583,-33.783 -16.583,-33.533 C413.2@-16.45,-33.4 -16.45,-33.35 -16.3,-33.2 U402.14@-15.2,-33.2 ; v1(-16.5,-30.55) -16.475,-30.575 -16.475,-31.175 C422.2@-16.45,-31.2 -16.45,-31.25 -16.3,-31.4 -16.25,-31.4 -16.05,-31.6 U402.10@-15.2,-31.6 ; v1(-13.6,-37.3) -13.492,-37.3 -13.292,-37.1 -13.05,-37.1 C412.2@-12.9,-36.95 -12.85,-36.95 -12.7,-36.8 U402.23@-12.7,-35.7 ; U402.32@-10.2,-33.2 -9.05,-33.2 -8.9,-33.35 C411.2@-8.9,-33.4 -8.75,-33.55 -8.75,-33.708 -8.403,-34.055 v1(-8.403,-34.107) ; C601.2@-9.8,-24 -9.775,-23.975 -9.775,-23 U600.14@-9.75,-22.975 ; U600.8@-9.75,-20.525 -9.75,-20.016 v1(-9.5,-19.766) -9.25,-20.016 U600.7@-9.25,-20.525 ; U600.1@-8.025,-22.75 -7.258,-22.75 -7.108,-22.9 v1(-7,-22.9) ; C513.2@4.775,-7.525 4.775,-8.81 5.305,-9.339 5.305,-9.68 5.499,-9.875 5.224,-10.15 5.025,-10.349 5.025,-15.225 5,-15.25
  L1 w0.3: v1(1.812,15.162) 2.812,15.162 R106.2@2.85,15.2 R105.2@4.15,15.2 ; C511.2@12.275,-12.475 12.425,-12.325 R506.2@13.575,-12.325 14.075,-12.325 18,-8.4 27.925,-8.4 28.325,-8.8 28.375,-8.8 28.475,-8.9 R401.2@28.475,-8.95 ; R401.2@28.325,-9.1 28.325,-9.35 28.875,-9.9 30.325,-9.9 U401.6@30.325,-9.91
  L1 w0.5: Q200.2@-19.05,29.45 v1(-19.05,30.175) v1(-19.05,30.775) ; C601.2@-9.8,-24 v1(-9.1,-24) ; v1(-7,-22.9) C600.2@-7,-22.2 ; v1(-5.9,-32.425) C424.2@-4.775,-32.425 v1(-3.65,-32.425) ; R410.2@14.925,-22.1 v1(14.925,-21.45) ; v1(18.65,-19.325) R411.2@19.3,-19.325
  L1 w1: v1@-5.396,-1 -5.396,-11.379 -1.525,-15.25 5,-15.25 5.75,-15.25 7.5,-17 10.543,-17 12.25,-15.293 12.25,-14.325 C512.2@12.275,-14.3 12.262,-14.288 12.262,-10.187 L503.2@12.25,-10.175 12.25,-6.025 10.975,-4.75 10.975,4.725 12,5.75 v1(13.5,5.75) v1(14.5,5.75)
  L3 w1: v1(14.5,5.75) v1(13.5,5.75) 12.65,4.9 12.65,1.374 13.324,0.7 15.776,0.7 16.813,1.737 16.813,8.063 21,12.25 27.5,12.25
  L4 w0.2: -4.575,-1.225 J102.28@-4.125,-1.225 ; -4.575,-0.875 J102.26@-4.125,-0.875 ; -4.575,-0.525 J102.24@-4.125,-0.525
  L4 w0.3: v1(-15.075,-19.175) R104.2@-15.075,-18.375 R103.2@-13.775,-18.375 R102.2@-12.474,-18.375 ; v1(-12.474,-19.176) R102.2@-12.474,-18.375 ; R101.2@-11.174,-18.375 R102.2@-12.474,-18.375 ; C107.2@-6.375,-1.725 -5.725,-1.725 v1(-5.4,-1.4) ; C106.2@-6.375,-0.775 -6.372,-0.778 v1(-5.396,-0.778)
  L4 w0.5: v1(14.375,-18.3) 14.402,-18.3 14.452,-18.35 14.525,-18.35 16.275,-20.1 ; v1(14.925,-21.45) 16.275,-20.1 ; v1(18.65,-19.325) 17.05,-19.325 16.275,-20.1
  other v1: 13.248,-14.686 13.998,-14.686 13.248,-13.936 13.998,-13.936